# Altium PCB MOSAIC_RCB.PcbDoc (part 2 of 2)
Units mil, origin at the board's own origin, x right, y up, seen from the top; angles counter-clockwise.
Board outline 2644.72 x 1250.12 mil, 4 copper layers (Top Layer, Int1 (GND), Int2 (GND), Bottom Layer), stack 61.24 mil thick; 78 components, 55 nets, 485 pads, 481 vias.
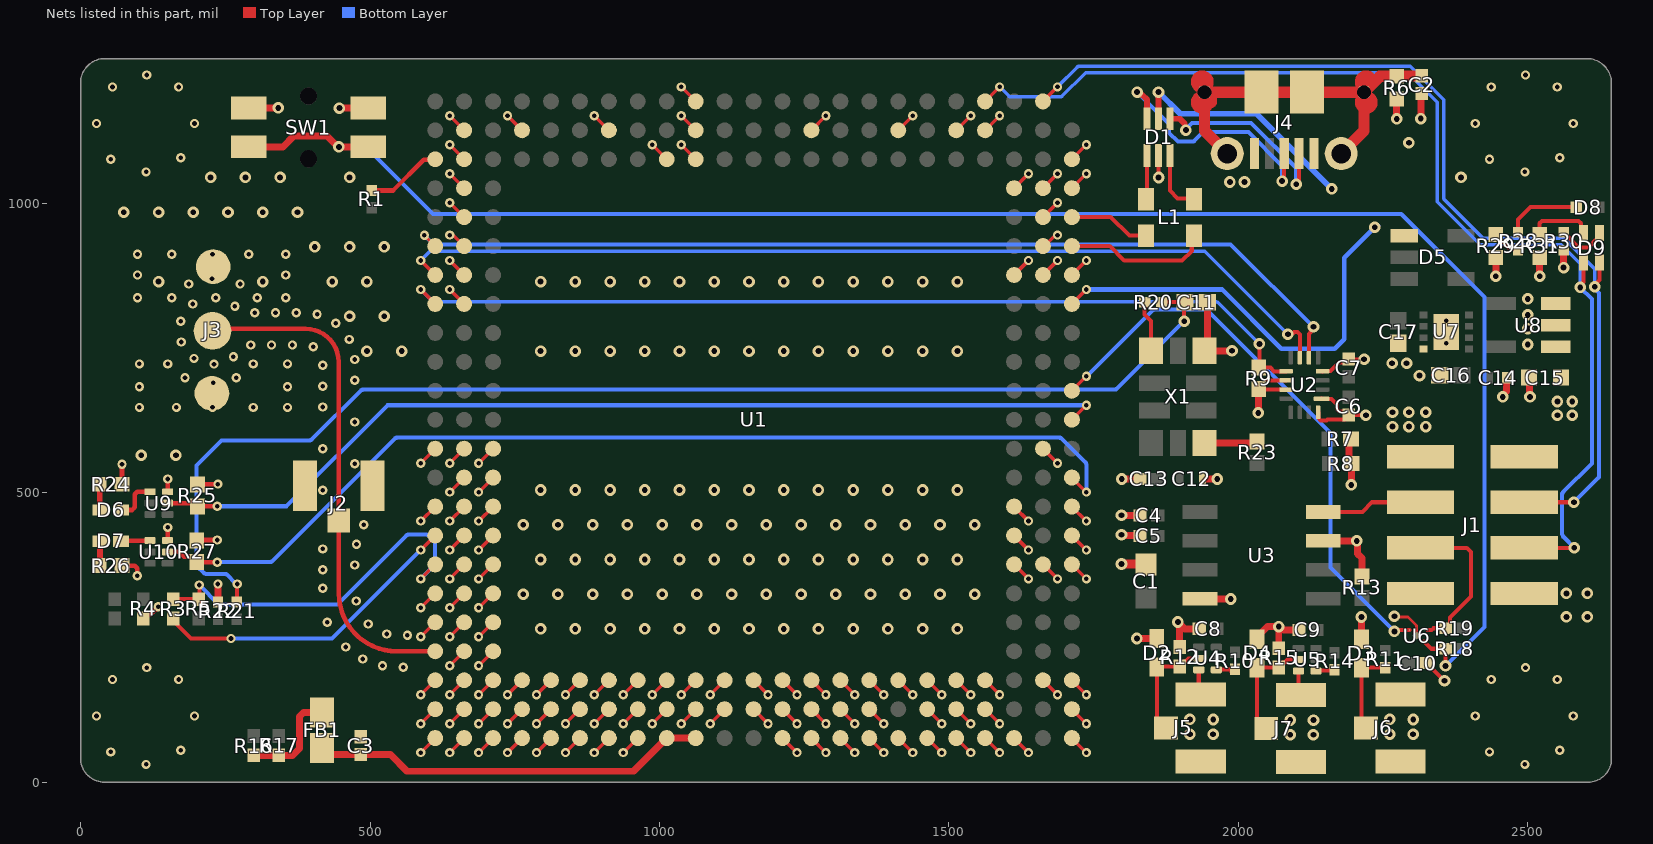
[diagram p4: the nets of this part, all layers, seen from the top]

## Via types
v1: diameter 16, hole 8, Top Layer to Bottom Layer, tented both sides, 260 vias
v2: diameter 20, hole 10, Top Layer to Bottom Layer, tented both sides, 219 vias
v3: diameter 28, hole 14, Top Layer to Bottom Layer, tented both sides, 2 vias

## Nets (pads, with @x,y where several pads share a name; then routed paths per layer and width w, separated by ;. In a path a pad name is that pad's centre, name@x,y a point inside that pad or via, vN(x,y) a via of type N, cw(c..) or ccw(c..) an arc to the next point about the centre after c; other vN are vias at no path point) (continued)
GND: C1.2 C2.1 C3.1 C4.2 C5.2 C6.1 C7.1 C8.1 C9.1 C10.1 C11.1 C12.1 C13.1 C14.2 C15.2 C16.1 C17.1 D1.2 D2.1 D3.1 D4.1 J1.8 J2.2 J2.3 J3.2 J3.3 J4.5 J5.2 J5.3 J6.2 J6.3 J7.2 J7.3 R4.2 R6.1 R7.1 R8.1 R9.1 R12.1 R13.1 R15.1 R22.1 R24.1 R25.1 R26.1 R27.1 R29.2 R30.1 R31.2 SW1.2 SW1.4 U1.A3 U1.A4 U1.A7 U1.A15 U1.A16 U1.A17 U1.A21 U1.A22 U1.A23 U1.AA13 U1.AA14 U1.AA15 U1.AA16 U1.AA17 U1.AA18 U1.AA19 U1.AA20 U1.AA21 U1.AA22 U1.AA23 U1.AB2 U1.AB3 U1.AB4 U1.AB5 U1.AB6 U1.AB7 U1.AB8 U1.AB13 U1.AB14 U1.AB15 U1.AB16 U1.AB17 U1.AB18 U1.AB19 U1.AB20 U1.AB21 U1.AB22 U1.AB23 U1.AC13 U1.AC15 U1.AC18 U1.AC19 U1.AC21 U1.AC22 U1.AC23 U1.B4 U1.B5 U1.B6 U1.B7 U1.B13 U1.B17 U1.B21 U1.C4 U1.C7 U1.C15 U1.C16 U1.C17 U1.C23 U1.D2 U1.D21 U1.D22 U1.D23 U1.E2 U1.E21 U1.E22 U1.E23 U1.F21 U1.F22 U1.F23 U1.G2 U1.G21 U1.G23 U1.H21 U1.H22 U1.H23 U1.J21 U1.J22 U1.J23 U1.K2 U1.K21 U1.K22 U1.K23 U1.L21 U1.L22 U1.L23 U1.M21 U1.M22 U1.N21 U1.N22 U1.P1 U1.P2 U1.P3 U1.P21 U1.P22 U1.R3 U1.R21 U1.R22 U1.T21 U1.T22 U1.T23 U1.U2 U1.U21 U1.U22 U1.U23 U1.V21 U1.V22 U1.V23 U1.W21 U1.W22 U1.W23 U1.Y2 U1.Y21 U1.Y22 U1.Y23 U2.1 U2.4 U2.10 U2.11 U2.16 U3.4 U3.7 U4.3 U5.3 U6.3 U7.4 U7.9 U8.2 U8.3 U9.3 U10.3 X1.4 | length 6082
  Top Layer w5: v2(2269.69,286.4) 2270.85,285.23 2293.27,285.23 2308.07,270.44 U6.3@2308.07,252.95
  Top Layer w6: v1(587.6,50.98) U1.AC23@612.6,75.98 ; v1(587.6,100.98) U1.AC22@612.6,125.98 ; v1(587.6,150.98) U1.AC21@612.6,175.98 ; v1(587.6,250.98) U1.AC19@612.6,275.98 ; v1(587.6,300.98) U1.AC18@612.6,325.98 ; v1(587.6,450.98) U1.AC15@612.6,475.98 ; v1(587.6,550.98) U1.AC13@612.6,575.98 ; v1(637.6,50.98) U1.AB23@662.6,75.98 ; v1(637.6,100.98) U1.AB22@662.6,125.98 ; v1(637.6,150.98) U1.AB21@662.6,175.98 ; v1(637.6,200.98) U1.AB20@662.6,225.98 ; v1(637.6,250.98) U1.AB19@662.6,275.98 ; v1(637.6,300.98) U1.AB18@662.6,325.98 ; v1(637.6,350.98) U1.AB17@662.6,375.98 ; v1(637.6,400.98) U1.AB16@662.6,425.98 ; v1(637.6,450.98) U1.AB15@662.6,475.98 ; v1(637.6,500.98) U1.AB14@662.6,525.98 ; v1(637.6,550.98) U1.AB13@662.6,575.98 ; v1(637.6,850.98) U1.AB8@662.6,825.98 ; v1(637.6,900.98) U1.AB7@662.6,875.98 ; v1(637.6,944.98) 637.93,944.65 643.93,944.65 U1.AB6@662.6,925.98 ; v1(637.6,1000.98) U1.AB5@662.6,975.98 ; v1(637.6,1050.98) U1.AB4@662.6,1025.98 ; v1(637.6,1100.98) U1.AB3@662.6,1075.98 ; v1(637.6,1150.98) U1.AB2@662.6,1125.98 ; v1(687.6,50.98) U1.AA23@712.6,75.98 ; v1(687.6,100.98) U1.AA22@712.6,125.98 ; v1(687.6,150.98) U1.AA21@712.6,175.98 ; v1(687.6,200.98) U1.AA20@712.6,225.98 ; v1(687.6,250.98) U1.AA19@712.6,275.98 ; v1(687.6,300.98) U1.AA18@712.6,325.98 ; v1(687.6,350.98) U1.AA17@712.6,375.98 ; v1(687.6,400.98) U1.AA16@712.6,425.98 ; v1(687.6,450.98) U1.AA15@712.6,475.98 ; v1(687.6,500.98) U1.AA14@712.6,525.98 ; v1(687.6,550.98) U1.AA13@712.6,575.98 ; v1(737.6,50.98) U1.Y23@762.6,75.98 ; v1(737.6,100.98) U1.Y22@762.6,125.98 ; v1(737.6,150.98) U1.Y21@762.6,175.98 ; v1(737.6,1150.98) U1.Y2@762.6,1125.98 ; v1(787.6,50.98) U1.W23@812.6,75.98 ; v1(787.6,100.98) U1.W22@812.6,125.98 ; v1(787.6,150.98) U1.W21@812.6,175.98 ; v1(837.6,50.98) U1.V23@862.6,75.98 ; v1(837.6,100.98) U1.V22@862.6,125.98 ; v1(837.6,150.98) U1.V21@862.6,175.98 ; v1(887.6,50.98) U1.U23@912.6,75.98 ; v1(887.6,100.98) U1.U22@912.6,125.98 ; v1(887.6,150.98) U1.U21@912.6,175.98 ; v1(887.6,1150.98) U1.U2@912.6,1125.98 ; v1(937.6,50.98) U1.T23@962.6,75.98 ; v1(937.6,100.98) U1.T22@962.6,125.98 ; v1(937.6,150.98) U1.T21@962.6,175.98 ; v1(987.6,100.98) U1.R22@1012.6,125.98 ; v1(987.6,150.98) U1.R21@1012.6,175.98 ; v1(987.6,1100.98) U1.R3@1012.6,1075.98 ; v1(1037.6,100.98) U1.P22@1062.6,125.98 ; v1(1037.6,150.98) U1.P21@1062.6,175.98 ; v1(1037.6,1100.98) U1.P3@1062.6,1075.98 ; v1(1037.6,1150.98) U1.P2@1062.6,1125.98 ; v1(1037.6,1200.98) U1.P1@1062.6,1175.98 ; v1(1087.6,100.98) U1.N22@1112.6,125.98 ; v1(1087.6,150.98) U1.N21@1112.6,175.98 ; U1.M22@1162.6,125.98 v1(1187.6,100.98) ; U1.M21@1162.6,175.98 v1(1187.6,150.98) ; U1.L23@1212.6,75.98 v1(1237.6,50.98) ; U1.L22@1212.6,125.98 v1(1237.6,100.98) ; U1.L21@1212.6,175.98 v1(1237.6,150.98) ; U1.K23@1262.6,75.98 v1(1287.6,50.98) ; U1.K22@1262.6,125.98 v1(1287.6,100.98) ; U1.K21@1262.6,175.98 v1(1287.6,150.98) ; U1.K2@1262.6,1125.98 v1(1287.6,1150.98) ; U1.J23@1312.6,75.98 v1(1337.6,50.98) ; U1.J22@1312.6,125.98 v1(1337.6,100.98) ; U1.J21@1312.6,175.98 v1(1337.6,150.98) ; U1.H23@1362.6,75.98 v1(1387.6,50.98) ; U1.H22@1362.6,125.98 v1(1387.6,100.98) ; U1.H21@1362.6,175.98 v1(1387.6,150.98) ; U1.G23@1412.6,75.98 v1(1437.6,50.98) ; U1.G21@1412.6,175.98 v1(1437.6,150.98) ; U1.G2@1412.6,1125.98 v1(1437.6,1150.98) ; U1.F23@1462.6,75.98 v1(1487.6,50.98) ; U1.F22@1462.6,125.98 v1(1487.6,100.98) ; U1.F21@1462.6,175.98 v1(1487.6,150.98) ; U1.E23@1512.6,75.98 v1(1537.6,50.98) ; U1.E22@1512.6,125.98 v1(1537.6,100.98) ; U1.E21@1512.6,175.98 v1(1537.6,150.98) ; U1.E2@1512.6,1125.98 v1(1537.6,1150.98) ; U1.D23@1562.6,75.98 v1(1587.6,50.98) ; U1.D22@1562.6,125.98 v1(1587.6,100.98) ; U1.D21@1562.6,175.98 v1(1587.6,150.98) ; U1.D2@1562.6,1125.98 v1(1587.6,1150.98) ; U1.C23@1612.6,75.98 v1(1637.6,50.98) ; U1.C17@1612.6,375.98 v1(1637.6,350.98) ; U1.C16@1612.6,425.98 v1(1637.6,400.98) ; U1.C15@1612.6,475.98 v1(1637.6,450.98) ; U1.C7@1612.6,875.98 v1(1637.6,900.98) ; U1.C4@1612.6,1025.98 v1(1637.6,1050.98) ; U1.B21@1662.6,175.98 v1(1687.6,150.98) ; U1.B17@1662.6,375.98 v1(1687.6,350.98) ; U1.B13@1662.6,575.98 v1(1687.6,550.98) ; U1.B7@1662.6,875.98 v1(1687.6,900.98) ; U1.B6@1662.6,925.98 1664.81,925.98 1681.89,943.07 1685.69,943.07 v1(1687.6,944.98) ; U1.B5@1662.6,975.98 v1(1687.6,1000.98) ; U1.B4@1662.6,1025.98 v1(1687.6,1050.98) ; U1.A23@1712.6,75.98 v1(1737.6,50.98) ; U1.A22@1712.6,125.98 v1(1737.6,100.98) ; U1.A21@1712.6,175.98 v1(1737.6,150.98) ; U1.A17@1712.6,375.98 v1(1737.6,350.98) ; U1.A16@1712.6,425.98 v1(1737.6,400.98) ; U1.A15@1712.6,475.98 v1(1737.6,450.98) ; U1.A7@1712.6,875.98 v1(1737.6,900.98) ; U1.A4@1712.6,1025.98 v1(1737.6,1050.98) ; U1.A3@1712.6,1075.98 v1(1737.6,1100.98)
  Top Layer w7: v2@1862.2,1044.39 D1.2@1862.2,1082.48 ; U4.3@1931.69,193.9 1931.69,154.92 J5.3@1935.04,151.57 ; R9.1@2035.43,679.13 2035.43,680.12 2049.21,693.9 U2.10@2082.68,693.9 ; R9.1@2036.42,678.15 U2.11@2082.68,678.15 ; U5.3@2103.94,191.93 2103.94,154.92 J7.3@2108.27,150.59 ; U2.16@2137.8,638.78 2138.23,638.34 2138.23,628.66 2142.33,624.56 2152.52,624.56 2154.29,626.33 2183.81,626.33 C6.1@2190.94,633.46 ; U2.1@2143.7,662.4 2144.04,662.06 2160.77,662.06 2170.27,652.57 2170.27,644.67 2174.37,640.57 2184.62,640.57 2191.34,633.86 v2(2220.47,633.86) ; U2.4@2145.67,709.65 2146.11,710.08 2159.49,710.08 2174.18,724.77 2184.81,724.77 C7.1@2190.94,730.91 2191.54,730.32 v2(2217.39,730.32) ; C10.1@2325.29,205.22 2326.07,205.22 2332.72,198.58 2332.72,197.79 2355.28,175.24 v2(2356.19,175.24)
  Top Layer w8: R24.1@71.46,514.38 v1(71.46,549.21) ; R26.1@71.74,374.02 93.41,374.02 98.09,369.33 v1(98.09,356.3) ; R4.2@108.27,282.48 108.33,282.42 108.33,283.53 115.09,290.29 121.29,290.29 v1(134,303) ; U10.3@150.39,417.32 150.49,417.42 150.49,439.86 v1(150.59,439.96) ; U9.3@150.39,501.58 150.49,501.68 150.49,523.52 v1(150.59,523.62) ; R27.1@199.8,416.34 R27.1@200.79,417.32 201.77,418.31 v1(236.22,418.31) ; R25.1@201.75,513.84 202.67,514.76 v1(237.2,514.76)
  Top Layer w12: R22.1@237.2,311.02 v1(237.2,342.29) ; SW1.2@290.35,1164.37 290.57,1164.59 v2(341.5,1164.59) ; v2(447.12,1164.38) SW1.4@497.05,1164.37 ; v2(1798.23,427.17) 1799.21,426.18 1829.13,426.18 C5.2@1830.12,425.2 ; v2(1798.23,460.83) 1798.33,460.73 1830.02,460.73 C4.2@1830.12,460.63 ; v2(1798.51,523.62) C13.1@1830.12,523.62 ; v2(1824.8,248.03) D2.1@1859.25,248.03 ; C1.2@1839.8,376.73 C1.2@1840.55,375.98 ; R12.1@1898.62,233.27 1898.62,271.46 1895.67,274.41 v2(1895.67,276.57) 1907.48,264.76 C8.1@1932.48,264.76 ; U3.4@1933.85,316.73 1934.29,316.3 v2(1986.79,316.3) v2@1987.22,315.87 ; C12.1@1938.04,523.62 v2(1963.78,523.62) ; C11.1@1946.46,828.74 1946.46,749.61 X1.4@1941.93,745.08 v2(1989.17,745.08) ; D4.1@2032.48,247.05 2032.48,250.98 2050.2,268.7 v2(2069.88,268.7) ; v2(2034.45,637.8) 2034.94,638.29 2034.94,678.64 R9.1@2035.43,679.13 ; R15.1@2069.88,231.3 v2(2069.88,268.7) ; C9.1@2104.72,262.8 2077.95,262.8 2072.05,268.7 v2(2069.88,268.7) ; U3.7@2146.85,416.73 v2(2204.72,416.73) 2206.26,415.2 2206.26,394.42 2213.58,387.09 R13.1@2213.58,355.32 ; R8.1@2190.94,550.2 R7.1@2190.94,592.52 ; v2(2195.28,513.39) 2195.57,513.68 2195.57,549.9 R8.1@2195.87,550.2 ; D3.1@2212.6,247.05 v2(2212.6,285.23) ; v2(2273.62,1145.64) R6.1@2273.62,1180.12 ; v2(2315.01,1146.2) 2315.97,1147.16 2315.97,1188.41 C2.1@2316.93,1189.37 ; v2(2444.88,874.02) R29.2@2444.88,906.5 ; v2(2456.69,665.35) 2456.69,667.52 2463.58,674.41 C14.2@2463.58,698.82 ; C15.2@2501.97,698.82 2502.95,697.83 2502.95,666.34 v2(2503.94,665.35) ; v2@2520.7,873.81 R31.2@2520.67,906.5 ; v2@2562.04,888.81 R30.1@2562.07,918.23
  Top Layer w15: v2(1798.23,376.73) C1.2@1839.8,376.73
  other v1: 113.19,30.51 2495.08,30.51 52.17,52.17 2434.06,52.17 173.23,55.12 2555.12,55.12 27.56,114.17 196.85,114.17 2409.45,114.17 2578.74,114.17 55.12,177.17 169.29,177.17 2437.01,177.17 2551.18,177.17 114.17,197.83 2496.06,197.83 557.4,198.2 521.5,200.79 487.5,212.63 458.12,233.43 564.63,253.76 528.69,255.94 496.99,273 426.31,275.98 476.1,312.82 418.22,334.65 418.22,366.87 473.78,375.12 418.22,402.87 476.71,411 489.14,444.79 418.22,503.99 473.78,550.03 418.22,575.99 473.78,622.03 101.58,647.31 165.55,647.31 227.95,647.31 298.43,647.31 357.48,647.31 418.22,647.99 101.58,683.07 357.48,683.07 418.22,683.99 228.95,689.74 473.78,694.03 180.32,698.53 268.9,698.53 418.22,719.99 230.45,722.08 101.58,722.44 150.79,722.44 298.43,722.44 357.48,722.44 473.45,730.02 195.82,731.9 264.05,735.01 401.79,752.02 293.92,755.1 329.92,755.1 365.92,755.1 2359.25,757.87 173.72,760.33 463.98,764.76 440.99,792.46 173.18,796.32 2359.25,797.24 408.6,808.18 300.69,810.66 336.69,810.66 372.69,810.66 266.57,822.15 193.82,825.82 98.43,836.61 157.48,836.61 233.57,836.53 305.12,836.61 354.33,836.61 187.01,860.53 275.59,860.53 226.95,869.31 98.43,875.98 354.33,875.98 98.43,911.74 157.48,911.74 227.95,911.74 290.35,911.74 354.33,911.74 113.19,1054.13 2495.08,1054.13 52.17,1075.79 2434.06,1075.79 173.23,1078.74 2555.12,1078.74 27.56,1137.8 196.85,1137.8 2409.45,1137.8 2578.74,1137.8 55.12,1200.79 169.29,1200.79 2437.01,1200.79 2551.18,1200.79 114.17,1221.46 2496.06,1221.46
  other v2: 2089.57,81.69 2129.68,81.69 1916.34,82.68 1956.45,82.68 2261.81,82.68 2301.92,82.68 2089.57,107.28 2129.92,107.18 1916.34,108.27 1956.69,108.17 2261.81,108.27 2302.17,108.17 794.67,264.59 854.67,264.59 914.67,264.59 974.67,264.59 1034.67,264.59 1094.67,264.59 1154.67,264.59 1214.67,264.59 1274.67,264.59 1334.67,264.59 1394.67,264.59 1454.67,264.59 1514.67,264.59 764.67,324.59 824.67,324.59 884.67,324.59 944.67,324.59 1004.67,324.59 1064.67,324.59 1124.67,324.59 1184.67,324.59 1244.67,324.59 1304.67,324.59 1364.67,324.59 1424.67,324.59 1484.67,324.59 1544.67,324.59 794.67,384.59 854.67,384.59 914.67,384.59 974.67,384.59 1034.67,384.59 1094.67,384.59 1154.67,384.59 1214.67,384.59 1274.67,384.59 1334.67,384.59 1394.67,384.59 1454.67,384.59 1514.67,384.59 764.67,444.59 824.67,444.59 884.67,444.59 944.67,444.59 1004.67,444.59 1064.67,444.59 1124.67,444.59 1184.67,444.59 1244.67,444.59 1304.67,444.59 1364.67,444.59 1424.67,444.59 1484.67,444.59 1544.67,444.59 794.67,504.59 854.67,504.59 914.67,504.59 974.67,504.59 1034.67,504.59 1094.67,504.59 1154.67,504.59 1214.67,504.59 1274.67,504.59 1334.67,504.59 1394.67,504.59 1454.67,504.59 1514.67,504.59 104.67,564.59 164.67,564.59 2266.34,614.17 2294.69,614.17 2323.82,614.17 2266.34,638.78 2294.69,638.78 2323.82,638.78 2312.99,702.17 2265.75,723.43 2290.75,723.43 494.67,744.59 554.67,744.59 794.67,744.59 854.67,744.59 914.67,744.59 974.67,744.59 1034.67,744.59 1094.67,744.59 1154.67,744.59 1214.67,744.59 1274.67,744.59 1334.67,744.59 1394.67,744.59 1454.67,744.59 1514.67,744.59 2500,755.91 2500,783.46 464.67,804.59 524.67,804.59 2500,807.09 2500,834.65 134.67,864.59 314.67,864.59 434.67,864.59 494.67,864.59 794.67,864.59 854.67,864.59 914.67,864.59 974.67,864.59 1034.67,864.59 1094.67,864.59 1154.67,864.59 1214.67,864.59 1274.67,864.59 1334.67,864.59 1394.67,864.59 1454.67,864.59 1514.67,864.59 2520.73,873.78 2562.01,888.78 404.67,924.59 464.67,924.59 524.67,924.59 74.67,984.59 134.67,984.59 194.67,984.59 254.67,984.59 314.67,984.59 374.67,984.59 1985.49,1036.67 2010.72,1036.67 224.67,1044.59 284.67,1044.59 344.67,1044.59 464.67,1044.59 1862.34,1044.39 2384.67,1044.59 2294.67,1104.59
GNSS_ANT: J2.1 J3.1 U1.AC20 | length 874.9
  Top Layer w8: J3.1@227.95,779.53 cw(c231.3,779.53) 231.3,782.88 389,782.88 cw(c389,725.88) 446,725.88 J2.1@446,451.96 446,325.98 ccw(c546,325.98) 546,225.98 U1.AC20@611.42,225.98
GNSS_GPLED: R27.2 U1.A14 U10.2 | length 1786.4
  Top Layer w6: U1.A14@1712.6,525.98 v1(1737.6,500.98)
  Top Layer w8: U10.2@150.39,397.64 170.26,397.64 178.19,389.7 191.99,389.7 200.79,380.91 R27.2@200.79,379.92 v1(236.22,379.92)
  Bottom Layer w7: v1(236.22,379.92) 326.24,379.92 ccw(c326.24,386.92) 331.16,381.95 542.1,592.89 cw(c547.03,587.92) 547.03,594.92 1690.56,594.92 cw(c1690.56,587.92) 1695.49,592.89 1735.57,552.81 cw(c1730.6,547.88) 1737.6,547.88 v1(1737.6,500.98)
GNSS_IN_EVENT_A: U1.AC6 U2.6 | length 1684.3
  Top Layer w6: v1(594,944.58) U1.AC6@612.6,925.98
  Top Layer w7: U2.6@2122.05,733.27 2122.05,774.04 2124.83,776.82 2124.83,778.1 2129.92,783.2 v2(2129.92,786.72)
  Bottom Layer w7: v1(594,944.58) 610.1,928.48 1986.87,928.48 1988.92,926.43 2128.64,786.72 v2(2129.92,786.72)
GNSS_IN_EVENT_B: U1.AC7 U2.7 | length 1663.1
  Top Layer w6: v1(587.6,900.98) U1.AC7@612.6,875.98
  Top Layer w7: v2(2085.68,773.67) 2088.17,776.16 2095.16,776.16 2096.28,777.28 2102.08,777.28 2106.3,773.06 U2.7@2106.3,733.27
  Bottom Layer w6: v1(587.6,900.98) 603.6,916.98 1942.36,916.98 v2(2085.68,773.67)
GNSS_MODULE_RDY: R25.2 U1.A12 U9.2 | length 1697.1
  Top Layer w6: U1.A12@1712.6,625.98 v1(1737.6,650.98)
  Top Layer w8: U9.2@150.39,481.9 196.29,481.9 R25.2@201.75,476.44 201.87,476.56 v1(236.22,476.56)
  Bottom Layer w7: v1(236.22,476.56) 355.58,476.56 530,650.98 v1(1737.6,650.98)
GNSS_PPSO: R9.2 U1.AC8 U2.9 | length 1610.5
  Top Layer w6: v1(587.6,850.98) U1.AC8@612.6,825.98
  Top Layer w7: v2(2036.42,757.03) 2036.42,719.49 2039.81,716.1 2055.56,716.1 2062.01,709.65 U2.9@2082.68,709.65
  Bottom Layer w6: v1(587.6,850.98) 607.16,831.42 ccw(c611.39,835.68) 611.39,829.68 1961.28,829.68 cw(c1961.28,823.68) 1965.53,827.92 v2@2036.39,757.06
GNSS_RST: U1.A11 U6.4 | length 1007.8
  Top Layer w6: U1.A11@1712.6,675.98 v1(1737.6,700.98)
  Top Layer w7: v2(2269.69,260.23) 2272.16,262.7 U6.4@2295.57,262.7
  Bottom Layer w7: v1(1737.6,700.98) 1850.78,814.17 cw(c1855.71,809.19) 1855.71,816.19 1943.12,816.19 cw(c1943.12,809.19) 1948.04,814.17 2159,603.21 2159,370.92 v2(2269.69,260.23)
GNSS_UART_RX1: D9.2 J1.5 U1.B1 | length 1778.5
  Top Layer w6: U1.B1@1662.6,1175.98 v1(1687.6,1200.98)
  Top Layer w7: J1.5@2493.9,483.46 v2(2579.72,483.46) ; v2(2615.86,855.54) 2615.86,859.06 2621.6,864.79 2624.02,867.21 D9.2@2624.02,897.64
  Bottom Layer w6: v1(1687.6,1200.98) 1721.47,1234.85 cw(c1725.69,1230.59) 1725.69,1236.59 2297.21,1236.59 2344.01,1189.79 2344.01,1189.69 2355.01,1178.69 2355.01,1007.3 2422.73,939.57 2562.41,939.57 2568.16,933.82 2615.63,886.35 2615.63,855.77 v2(2615.86,855.54)
  Bottom Layer w7: v2(2579.72,483.46) 2622.91,526.65 2622.91,844.98 2615.86,852.02 v2(2615.86,855.54)
GNSS_UART_TX1: D9.1 J1.3 U1.D1 | length 1959.8
  Top Layer w6: U1.D1@1562.6,1175.98 v1(1587.6,1200.98)
  Top Layer w7: J1.3@2493.9,404.72 v2(2580.49,404.72) ; v2(2590.64,854.6) 2590.64,858.12 2596.46,863.93 D9.1@2596.46,897.64
  Bottom Layer w6: v1(1587.6,1200.98) 1603.22,1185.36 ccw(c1607.45,1189.62) 1607.45,1183.62 1691.78,1183.62 ccw(c1691.78,1189.62) 1696,1185.36 1734.5,1223.85 cw(c1738.72,1219.59) 1738.72,1225.59 2290.07,1225.59 cw(c2290.07,1219.59) 2294.31,1223.83 2344.01,1174.14 2344.01,1002.74 2418.18,928.57 2557.85,928.57 2590.64,895.78 2590.64,889.38 v2(2590.64,854.6)
  Bottom Layer w7: v2(2580.49,404.72) 2561.37,423.84 2559.32,428.79 2559.32,496.23 cw(c2566.32,496.23) 2561.35,501.16 2610.91,550.71 2610.91,834.33 v2(2590.64,854.6)
GNSS_USB_DM_N: L1.2 U1.A6 | length 251.9
  Top Layer w7: U1.A6@1712.6,925.98 1777.95,925.98 1802.95,900.98 1902.8,900.98 1919.62,917.81 1919.62,940.29 L1.2@1923.23,943.9
GNSS_USB_DM_P: L1.3 U1.A5 | length 141.2
  Top Layer w7: U1.A5@1712.6,975.98 1779.63,975.98 1811.71,943.9 L1.3@1840.55,943.9
GNSS_USB_VBUS: D1.5 D5.1 J4.1 U1.A8 | length 1166.3
  Top Layer w6: U1.A8@1712.6,825.98 v1(1737.6,850.98)
  Top Layer w10: D1.5@1862.2,1145.87 v2(1862.2,1192)
  Bottom Layer w8: v1(1737.6,850.98) 1972.02,850.98 2074.28,748.72 2166.72,748.72 2182.99,764.99 2182.99,905.78 v2(2235.87,958.66) cw(c2241.51,952.99) v2@2241.51,960.99
  Bottom Layer w10: v2(1862.2,1192) 1899.61,1154.6 2031.58,1154.6 v2(2161.42,1024.76)
NetC2_2: C2.2 J4.6 J4.7 J4.8 J4.9 J4.10 J4.11 R6.2 | length 613.1
  Top Layer w19.68: J4.11@1947.48,1174.28 1941.57,1168.38 1941.57,1125.07 J4.7@1980.94,1085.7 ; J4.11@1953.39,1174.28 1953.39,1180.19 J4.11@1941.57,1192 J4.10@2040,1192 J4.9@2118.74,1192 J4.8@2217.17,1192 J4.8@2227.01,1201.84 ; J4.6@2177.8,1085.7 2217.17,1125.07 2217.17,1168.38 ; J4.8@2228.98,1203.81 2244.65,1219.49 R6.2@2273.62,1219.49 2273.92,1219.78 2316.63,1219.78 C2.2@2316.93,1220.08
NetC3_2: C3.2 FB1.2 U1.P23 U1.R23 | length 685.7
  Top Layer w12: FB1.2@417.32,59.01 428.7,47.64 C3.2@484.25,47.64 535.04,47.64 563.98,18.7 955.32,18.7 U1.R23@1012.6,75.98 U1.P23@1062.6,75.98
NetC11_2: C11.2 R20.2 R21.1 | length 2169
  Top Layer w7: R21.1@269.68,311.02 270.18,311.52 270.18,337.97 cw(c277.18,337.97) 270.24,338.9 270.62,341.74 ccw(c263.68,342.66) v1(270.67,342.29) ; R20.2@1867.8,829.15 1907.46,829.15 C11.2@1907.87,828.74 1906.5,827.36 v2(1906.5,796.26)
  Bottom Layer w7: v1(270.67,342.29) cw(c271.95,349.17) 267.04,344.18 253.69,357.53 ccw(c248.7,352.62) 248.7,359.62 217.53,359.62 cw(c217.53,366.62) 212.53,361.73 202.24,372.02 cw(c207.15,377) 200.15,377 200.15,547.21 243.35,590.41 395.09,590.41 ccw(c395.09,597.41) 400.02,592.44 483.42,675.84 cw(c488.34,670.87) 488.34,677.87 1785.2,677.87 ccw(c1785.2,684.87) 1790.13,679.89 v2(1906.5,796.26)
NetD1_1: D1.1 L1.4 | length 76.4
  Top Layer w7: L1.4@1840.55,1006.89 1842.52,1008.86 D1.1@1842.52,1082.48
NetD1_3: D1.3 L1.1 | length 108.3
  Top Layer w7: D1.3@1881.89,1082.48 1881.89,1021.65 1895.18,1008.37 1921.75,1008.37 L1.1@1923.23,1006.89
NetD1_4: D1.4 J4.2 | length 353.3
  Top Layer w7: v2(2100.1,1032.61) 2100.1,1036.13 2104.96,1040.99 J4.2@2104.96,1085.7
  Top Layer w10: D1.4@1881.89,1145.87 1898.97,1145.87 1907.54,1137.3 1907.54,1128.29 v2(1909.45,1126.38)
  Bottom Layer w7: v2(1909.45,1126.38) 1909.45,1128.25 1920.05,1138.85 2021.81,1138.85 2100.1,1060.56 v2(2100.1,1032.61)
NetD1_6: D1.6 J4.3 | length 456.7
  Top Layer w7: v2(2075.74,1038.21) 2075.74,1041.73 2079.17,1045.16 2079.17,1085.5 J4.3@2079.37,1085.7
  Top Layer w10: v2(1825.2,1192) 1827.91,1192 1832.91,1187 1834.13,1187 1842.52,1178.61 D1.6@1842.52,1145.87
  Bottom Layer w7: v2(1825.2,1192) 1880.45,1136.76 1880.45,1121.59 1895.54,1106.5 1923,1106.5 1939.25,1122.74 2017.72,1122.74 2075.74,1064.73 v2(2075.74,1038.21)
NetD2_2: D2.2 J5.1 R12.2 U4.2 | length 206.8
  Top Layer w7: J5.1@1875,93.5 1859.25,109.25 D2.2@1859.25,198.82 1860.24,199.8 R12.2@1898.62,199.8 1898.62,200.79 1905.95,208.11 1908.13,208.11 1913.6,213.58 U4.2@1931.69,213.58
  Top Layer w8: J5.1@1869.09,107.76 ccw(c1889.26,107.76) J5.1@1875,93.5
NetD3_2: D3.2 J6.1 R11.1 | length 148.9
  Top Layer w7: J6.1@2220.47,93.5 2212.6,101.38 D3.2@2212.6,197.83 R11.1@2253.94,197.83
NetD4_2: D4.2 J7.1 R15.2 U5.2 | length 189.6
  Top Layer w7: J7.1@2048.23,92.52 2032.48,108.27 D4.2@2032.48,197.83 R15.2@2069.88,197.83 2069.88,198.82 2077.21,206.15 2079.39,206.15 2084.86,211.61 U5.2@2103.94,211.61
NetD6_1: D6.1 R24.2 | length 45.1
  Top Layer w10: R24.2@32.09,514.38 33.07,513.39 33.07,471.07 D6.1@34.06,470.09
NetD6_2: D6.2 U9.4 | length 91.9
  Top Layer w8: D6.2@69.49,470.09 88.8,470.09 93.48,474.77 93.48,496.9 98.17,501.58 U9.4@120.08,501.58 119.97,501.47 104.81,501.47
NetD7_1: D7.1 R26.2 | length 43.1
  Top Layer w10: R26.2@32.37,374.02 33.36,375 33.36,415.35 D7.1@34.34,416.34
NetD7_2: D7.2 U10.4 | length 56.9
  Top Layer w8: D7.2@69.77,416.34 70.27,416.83 119.59,416.83 U10.4@120.08,417.32 ; U10.4@114.37,416.34 114.43,416.4 U10.4@120.58,416.4
NetD8_1: D8.1 R28.2 | length 131.2
  Top Layer w7: R28.2@2483.27,949.8 2483.27,971.83 2504.55,993.11 D8.1@2583.66,993.11
NetD9_3: D9.3 R31.1 | length 110.7
  Top Layer w7: R31.1@2520.67,947.83 2520.67,965.39 2524.77,969.49 2587.98,969.49 2592.08,965.39 2592.08,953.19 D9.3@2596.46,948.82
NetD9_4: D9.4 R30.2 | length 87.2
  Top Layer w7: R30.2@2562.07,949.73 2577.33,934.47 2577.33,934.27 2588.37,923.23 2604.54,923.23 2612.83,931.52 2612.83,931.73 2624.02,942.91 D9.4@2624.02,948.82
NetR1_1: R1.1 U1.AC3 | length 132
  Top Layer w8: R1.1@502.95,1022.05 539.76,1022.05 592.92,1075.2 611.82,1075.2 U1.AC3@612.6,1075.98
NetR10_1: R10.1 U4.4 | length 40.2
  Top Layer w7: U4.4@1962.01,193.9 1962.5,194.39 1993.6,194.39 R10.1@1994.09,194.88
  Top Layer w8: R10.1@1989.17,189.96 ccw(c1989.17,194.88) R10.1@1994.09,194.88
NetR14_1: R14.1 U5.4 | length 32.9
  Top Layer w7: U5.4@2134.25,191.93 2135.24,192.91 2165.35,192.91 R14.1@2166.34,193.9
NetR18_1: R18.1 SW1.1 SW1.3 U6.1 | length 3046.8
  Top Layer w7: U6.1@2320.57,243.2 2333.46,230.32 R18.1@2358.27,230.32 2357.93,229.98 v2(2357.93,200.62)
  Top Layer w12: SW1.1@290.35,1097.44 349.41,1097.44 368.21,1116.24 425.6,1116.24 444.62,1097.22 v2(446.18,1097.22) 496.83,1097.22 SW1.3@497.05,1097.44
  Bottom Layer w7: v2(446.18,1097.22) 492.78,1097.22 608.5,981.5 2281.5,981.5 2425.2,837.8 2425.2,267.89 v2(2357.93,200.62)
NetR20_1: R20.1 X1.6 | length 88.7
  Top Layer w7: R20.1@1838.27,829.15 1838.27,807.4 1849.41,796.26 X1.6@1849.41,745.08
NetR23_1: R23.1 X1.1 | length 91.8
  Top Layer w7: R23.1@2029.53,585.63 R23.1@2032.48,588.58
  Top Layer w12: X1.1@1941.93,585.63 R23.1@2029.53,585.63
NetR28_1: R28.1 R29.1 | length 49.8
  Top Layer w7: R29.1@2444.88,945.87 2467.08,923.67 2477.91,923.67 R28.1@2483.27,918.31
RCB_3V3: J1.2
RCB_5V: C15.1 J1.1 U8.1
  other v2: 2566.9,285.43 2603.04,285.43 2566.9,325.98 2603.04,325.98 2551.18,633.86 2576.77,633.86 2551.18,657.48 2576.77,657.48
RCB_nRST: J1.4 R19.1 U6.2 | length 272.8
  Top Layer w7: J1.4@2314.76,404.72 2394.69,404.72 2401.72,397.69 2401.72,320.33 2365.59,284.21 2365.59,272.09 2359.25,265.75 2337.07,265.75 2334.03,262.7 2327.07,262.7
RCB_TP1: J1.6 U3.8 | length 174.8
  Top Layer w7: U3.8@2146.85,466.73 2214.41,466.73 2231.14,483.46 J1.6@2314.76,483.46
RCB_TP2: J1.7
REF_I: R3.2 R5.1 U1.AC17 | length 653
  Top Layer w6: v1(587.6,350.98) U1.AC17@612.6,375.98
  Top Layer w7: R3.2@160.43,315.94 R5.1@203.74,315.94 205.12,317.33 v1(205.12,340.55)
  Bottom Layer w7: v1(205.12,340.55) 238.59,307.09 443.64,307.09 561.96,425.4 cw(c566.89,420.43) 566.89,427.43 596.8,427.43 cw(c596.8,420.43) 601.73,425.4 610.47,416.66 cw(c605.5,411.74) 612.5,411.74 612.5,378.78 cw(c605.5,378.78) 610.47,373.85 v1(587.6,350.98)
REF_O: R3.1 U1.AC16 | length 538.5
  Top Layer w6: v1(587.6,400.98) U1.AC16@612.6,425.98
  Top Layer w7: R3.1@160.43,278.54 190.94,248.03 v1(259.84,248.03)
  Bottom Layer w7: v1(259.84,248.03) 434.65,248.03 v1(587.6,400.98)
VANT: FB1.1 R16.2 R17.2 | length 180.9
  Top Layer w12: R16.2@299.21,46.26 R17.2@342.52,46.26 366.14,46.26 377.95,58.07 377.95,113.09 384.98,120.12 FB1.1@417.32,120.12
pads on no net: D5.2 D5.3 D5.5 J4.4 SW1. U1.A2 U1.A9 U1.A10 U1.A13 U1.AA1 U1.AA2 U1.AA3 U1.AA4 U1.AA5 U1.AA6 U1.AA7 U1.AA8 U1.AA9 U1.AA10 U1.AA11 U1.AA12 U1.AB1 U1.AB9 U1.AB10 U1.AB11 U1.AB12 U1.AC1 U1.AC2 U1.AC5 U1.AC9 U1.AC10 U1.AC11 U1.AC12 U1.AC14 U1.B2 U1.B3 U1.B9 U1.B10 U1.B11 U1.B12 U1.B14 U1.B15 U1.B16 U1.B22 U1.B23 U1.C1 U1.C2 U1.C3 U1.C5 U1.C6 U1.C8 U1.C9 U1.C10 U1.C11 U1.C12 U1.C13 U1.C14 U1.C21 U1.C22 U1.D3 U1.E1 U1.E3 U1.F1 U1.F2 U1.F3 U1.G1 U1.G3 U1.G22 U1.H1 U1.H2 U1.H3 U1.J1 U1.J2 U1.J3 U1.K1 U1.K3 U1.L1 U1.L2 U1.L3 U1.M1 U1.M2 U1.M3 U1.N1 U1.N2 U1.N3 U1.R1 U1.R2 U1.T1 U1.T2 U1.T3 U1.U1 U1.U3 U1.V1 U1.V2 U1.V3 U1.W1 U1.W2 U1.W3 U1.Y1 U1.Y3 U2.8 U2.12 U4.5 U5.5 U7.6 U8.4 U9.5 U10.5 X1.2 X1.3 X1.5 X1.7 X1.8 X1.10

## Polygon pours and split planes (outlines as drawn)
no net on Top Solder "GND_L01_P028" (solid): -18.45,114.02 ccw(c112.24,114.02) 112.24,-16.68 ccw(c112.24,114.02) 242.94,114.02 ccw(c112.24,114.02) 112.24,244.71 ccw(c112.24,114.02)
no net on Top Solder "GND_L01_P028" (solid): -18.45,1137.64 ccw(c112.24,1137.64) 112.24,1006.94 ccw(c112.24,1137.64) 242.94,1137.64 ccw(c112.24,1137.64) 112.24,1268.34 ccw(c112.24,1137.64)
no net on Top Solder "GND_L01_P028" (solid): 2363.44,1137.64 ccw(c2494.13,1137.64) 2494.13,1006.94 ccw(c2494.13,1137.64) 2624.83,1137.64 ccw(c2494.13,1137.64) 2494.13,1268.34 ccw(c2494.13,1137.64)
GND on Top Solder "GND_L01_P028" (solid, pour order 28): 2363.44,114.02 ccw(c2494.13,114.02) 2494.13,-16.68 ccw(c2494.13,114.02) 2624.83,114.02 ccw(c2494.13,114.02) 2494.13,244.71 ccw(c2494.13,114.02)
no net on Bottom Solder "GND_L01_P028" (solid): 2363.44,114.02 ccw(c2494.13,114.02) 2494.13,-16.68 ccw(c2494.13,114.02) 2624.83,114.02 ccw(c2494.13,114.02) 2494.13,244.71 ccw(c2494.13,114.02)
no net on Bottom Solder "GND_L01_P028" (solid): 2363.44,1137.64 ccw(c2494.13,1137.64) 2494.13,1006.94 ccw(c2494.13,1137.64) 2624.83,1137.64 ccw(c2494.13,1137.64) 2494.13,1268.34 ccw(c2494.13,1137.64)
no net on Bottom Solder "GND_L01_P028" (solid): -18.45,1137.64 ccw(c112.24,1137.64) 112.24,1006.94 ccw(c112.24,1137.64) 242.94,1137.64 ccw(c112.24,1137.64) 112.24,1268.34 ccw(c112.24,1137.64)
no net on Bottom Solder "GND_L01_P028" (solid): -18.45,114.02 ccw(c112.24,114.02) 112.24,-16.68 ccw(c112.24,114.02) 242.94,114.02 ccw(c112.24,114.02) 112.24,244.71 ccw(c112.24,114.02)
GND on Top Layer "TOP GND POUR" (solid, remove dead copper, pour order 50): 0,41.14 ccw(c41.14,41.14) 41.14,0 2604.45,-0.16 ccw(c2604.41,39.96) 2644.53,39.96 2644.65,1207.48 ccw(c2602.13,1207.44) 2602.13,1249.96 42.05,1249.88 ccw(c42.09,1207.72) -0.08,1207.72
5V on Top Layer "5V_L01_P046" (solid, pour order 46): 2408.46,880.9 2361.22,880.91 2361.22,843.5 2391.73,812.99 2391.73,781.5 ccw(c2393.7,781.5) 2393.7,779.53 2409.45,779.53 cw(c2409.45,771.65) 2417.32,771.65 2417.32,741.14 2479.33,741.14 2479.33,780.51 ccw(c2460.63,780.51) 2460.63,799.21 2440.94,799.21 cw(c2440.94,814.96) 2425.2,814.96 2425.2,865.13 ccw(c2409.39,865.13)
GND on Top Layer "GND_L01_P049" (solid, pour order 49): 2296.78,743.31 cw(c2296.78,719.85) 2313.37,736.44 2332.87,716.93 2362.8,716.93 2362.8,688.58 cw(c2351.38,688.58) 2351.38,677.17 2259.84,677.17 cw(c2259.84,688.98) 2248.03,688.98 2248.03,730.65 cw(c2270.98,730.65) 2254.75,746.88 2266.14,758.27 2290.75,758.27 2290.75,749.34 ccw(c2296.78,749.34)
3V3 on Top Layer "3V3_L01_P048" (solid, pour order 48): 2326.77,761.81 2326.77,814.96 ccw(c2314.96,814.96) 2314.96,826.77 2204.72,826.77 ccw(c2204.72,814.96) 2192.91,814.96 2192.91,779.53 ccw(c2204.72,779.53) 2204.72,767.72 2238.53,767.72 ccw(c2238.53,791.14) 2255.09,774.58 2257.39,776.88 cw(c2269.48,764.8) 2269.48,781.89 2285.64,781.89 cw(c2285.64,764.32) 2298.06,776.74 2312.99,761.81
5V on Top Layer "5V_L01_P047" (solid, pour order 47): 2444,751.57 2444,692.99 cw(c2437.15,692.99) 2437.11,686.14 2376.47,686.49 cw(c2376.51,693.64) 2369.68,691.51 2369.68,716.14 cw(c2381.5,716.14) 2381.5,727.95 2401.18,727.95 2424.8,751.57
GND on Top Layer "GND_L01_P038" (solid, pour order 38): 2488.19,842.52 2488.19,748.03 ccw(c2496.06,748.03) 2496.06,740.16 2507.87,740.16 ccw(c2507.87,748.03) 2515.75,748.03 2515.75,775.59 2570.87,775.59 ccw(c2570.87,778.54) 2573.82,778.54 2573.82,843.5 ccw(c2566.93,843.5) 2566.93,850.39 2496.06,850.39 ccw(c2496.06,842.52)
GNSS_USB_VBUS on Top Layer "GNSS_USB_VBUS_L01_P037" (solid, pour order 37): 2310.04,932.09 2310.04,992.13 ccw(c2295.23,992.13) 2295.23,1006.94 2180.5,1006.94 2180.5,918.31 2251.97,918.31 2262.8,929.13 2262.8,932.09
GND on Top Layer "GND_L01_P036" (solid, pour order 36): 2372.84,542.13 2372.84,640.94 ccw(c2351.38,640.94) 2351.38,662.4 2255.91,662.4 ccw(c2255.91,637.64) 2231.14,637.64 2231.14,564.13 ccw(c2253.15,564.13) 2253.15,542.13
RCB_5V on Top Layer "RCB_5V_L01_P034" (solid, pour order 34): 2522.64,762.8 2522.64,741.14 2529.53,734.25 2529.53,639.76 ccw(c2550.2,639.76) 2550.2,619.09 2579.72,619.09 ccw(c2579.72,636.81) 2597.44,636.81 2597.44,740.16 ccw(c2574.8,740.16) 2574.8,762.8
RCB_5V on Top Layer "RCB_5V_L01_P033" (solid, pour order 33): 2435.83,346.06 2604.72,346.06 cw(c2604.72,324.8) 2625.98,324.8 2625.98,287.4 cw(c2604.33,287.4) 2604.33,265.75 2525.72,265.75 2485.57,305.91 2436.08,305.91
GND on Top Layer "GND_L01_P030" (solid, pour order 30): 2036.06,1112.28 2036.06,1031.5 cw(c2024.25,1031.5) 2024.25,1019.69 1974.69,1019.69 cw(c1974.69,1031.14) 1963.23,1031.14 1963.23,1042.2 cw(c1974.25,1042.2) 1974.25,1053.22 2001.13,1053.22 2020.31,1072.41 2020.31,1112.28
GNSS_USB_VBUS on Top Layer "GNSS_USB_VBUS_L01_P029" (solid, pour order 29): 2122.68,1112.28 2122.68,943.02 ccw(c2147.39,943.02) 2147.39,918.31 2195.51,918.31 2195.51,1042.2 ccw(c2184.5,1042.2) 2184.49,1053.22 2157.61,1053.22 2138.43,1072.41 2138.43,1112.28
no net on Top Overlay "NONET_L01_P-001" (solid): 68.45,833.7 68.45,718.87 cw(c54.57,718.87) 54.57,704.98 38.82,704.98 cw(c38.82,718.66) 25.15,718.66 25.15,835.46 cw(c36.18,835.46) 36.18,846.49 55.66,846.49 cw(c55.66,833.7)
no net on Top Overlay "NONET_L01_P-001" (solid): 321.85,143.7 321.85,205.6 cw(c334.75,205.6) 334.75,218.5 354.33,218.5 cw(c354.33,207.68) 365.16,207.68 365.16,141.94 cw(c354.13,141.93) 354.13,130.91 334.65,130.91 cw(c334.64,143.7)
no net on Top Overlay "NONET_L01_P-001" (solid): 273.62,142.72 273.62,205.71 cw(c285.93,205.71) 285.93,218.01 305.61,218.01 cw(c305.61,206.69) 316.93,206.69 316.93,141.73 cw(c305.61,141.73) 305.61,130.41 285.93,130.41 cw(c285.92,142.72)
no net on Bottom Overlay "NONET_L01_P-001" (solid): 269.07,36.48 383.9,36.48 ccw(c383.9,50.37) 397.78,50.37 397.78,66.12 ccw(c384.11,66.12) 384.11,79.79 267.31,79.79 ccw(c267.3,68.76) 256.28,68.76 256.28,49.28 ccw(c269.07,49.28)
no net on Bottom Overlay "NONET_L01_P-001" (solid): 340.3,1106.63 456.11,1106.63 ccw(c456.11,1120.52) 470,1120.52 470,1136.27 ccw(c456.33,1136.27) 456.33,1149.94 338.54,1149.94 ccw(c338.54,1138.91) 327.51,1138.91 327.51,1119.43 ccw(c340.3,1119.43)
no net on Bottom Overlay "NONET_L01_P-001" (solid): 23.73,378.55 141.13,378.55 ccw(c141.13,392.43) 155.02,392.43 155.02,408.18 ccw(c141.34,408.18) 141.34,421.85 24.54,421.85 ccw(c24.54,410.82) 13.51,410.82 13.51,388.77 ccw(c23.73,388.77)
no net on Bottom Overlay "NONET_L01_P-001" (solid): 26.3,457.2 142.11,457.2 ccw(c142.11,471.08) 156,471.08 156,486.83 ccw(c142.33,486.83) 142.33,500.5 24.54,500.5 ccw(c24.54,489.47) 13.51,489.47 13.51,469.99 ccw(c26.3,469.99)
no net on Bottom Overlay "NONET_L01_P-001" (solid): 2495.3,953.63 2611.11,953.63 ccw(c2611.11,967.52) 2625,967.52 2625,983.27 ccw(c2611.33,983.27) 2611.33,996.94 2493.54,996.94 ccw(c2493.54,985.91) 2482.51,985.91 2482.51,966.43 ccw(c2495.3,966.43)
no net on Bottom Overlay "NONET_L01_P-001" (solid): 954.72,958.66 1139.76,958.66 ccw(c1139.76,979.33) 1160.43,979.33 1160.43,1009.84 ccw(c1141.73,1009.84) 1141.73,1028.54 952.76,1028.54 ccw(c952.76,1005.15) 929.36,1005.15 929.36,984.03 ccw(c954.72,984.03)
no net on Bottom Overlay "NONET_L01_P-001" (solid): 2250.11,22.86 2250.11,137.69 ccw(c2236.22,137.69) 2236.22,151.57 2220.47,151.57 ccw(c2220.47,137.9) 2206.8,137.9 2206.8,21.1 ccw(c2217.83,21.1) 2217.83,10.07 2237.31,10.07 ccw(c2237.31,22.86)
no net on Bottom Overlay "NONET_L01_P-001" (solid): 2065.07,22.86 2065.07,137.69 ccw(c2051.18,137.69) 2051.18,151.57 2035.43,151.57 ccw(c2035.43,137.9) 2021.76,137.9 2021.76,21.1 ccw(c2032.79,21.1) 2032.79,10.07 2052.27,10.07 ccw(c2052.27,22.86)
no net on Bottom Overlay "NONET_L01_P-001" (solid): 1899.71,22.86 1899.71,137.69 ccw(c1885.83,137.69) 1885.83,151.57 1870.08,151.57 ccw(c1870.08,137.9) 1856.41,137.9 1856.41,21.1 ccw(c1867.44,21.1) 1867.44,10.07 1886.92,10.07 ccw(c1886.92,22.86)
no net on Bottom Overlay "NONET_L01_P-001" (solid): 2495.3,896.55 2610.13,896.55 ccw(c2610.13,910.43) 2624.02,910.43 2624.02,926.18 ccw(c2610.34,926.18) 2610.34,939.85 2493.54,939.85 ccw(c2493.54,928.82) 2482.51,928.82 2482.51,909.34 ccw(c2495.3,909.34)
GND on Int1 (GND) "INT1 GND POUR" (solid, pour order 51): 0,41.14 ccw(c41.14,41.14) 41.14,0 2604.45,-0.16 ccw(c2604.41,39.96) 2644.53,39.96 2644.65,1207.48 ccw(c2602.13,1207.44) 2602.13,1249.96 42.05,1249.88 ccw(c42.09,1207.72) -0.08,1207.72
GND on Int2 (GND) "INT2 GND POUR" (solid, pour order 52): 0,41.14 ccw(c41.14,41.14) 41.14,0 2604.45,-0.16 ccw(c2604.41,39.96) 2644.53,39.96 2644.65,1207.48 ccw(c2602.13,1207.44) 2602.13,1249.96 42.05,1249.88 ccw(c42.09,1207.72) -0.08,1207.72
3V3 on Int2 (GND) "3V3_L03_P045" (solid, pour order 45): 2322.83,885.83 1692.91,885.83 ccw(c1692.91,807.09) 1614.17,807.09 1614.17,151.89 ccw(c1656.82,151.89) 1656.82,109.25 2361.27,109.25 ccw(c2361.27,149.55) 2401.57,149.55 2401.57,807.09 ccw(c2322.84,807.09)
RCB_5V on Int2 (GND) "RCB_5V_L03_P041" (solid, pour order 41): 2618.11,275.59 2618.11,664.38 ccw(c2593.52,664.38) 2593.52,688.98 2539.37,688.98 ccw(c2539.37,668.9) 2519.29,668.9 2519.29,275.98 ccw(c2539.37,275.98) 2539.37,255.91 2598.43,255.91 ccw(c2598.43,275.59)
GND on Bottom Layer "BOT GND POUR" (solid, pour order 40): 5.83,34.17 ccw(c46.98,34.17) 46.98,-6.98 2610.28,-7.13 ccw(c2610.24,32.98) 2650.36,32.98 2650.48,1200.5 ccw(c2607.96,1200.46) 2607.96,1242.98 47.88,1242.91 ccw(c47.92,1200.74) 5.76,1200.74

## Keep-outs
Keep-Out Layer:
  circle w0.5: c2494.13,114.02 r61.02
  circle w0.5: c112.24,114.02 r61.02
  circle w0.5: c2494.13,1137.64 r61.02
  circle w0.5: c112.24,1137.64 r61.02
  lines w0.5: 41.14,0 cw(c41.14,41.14) 0,41.14 -0.08,1207.72 cw(c42.09,1207.72) 42.05,1249.88 2602.13,1249.96 cw(c2602.13,1207.44) 2644.65,1207.48 2644.53,39.96 cw(c2604.41,39.96) 2604.45,-0.16

## Other copper
Top Layer:
  rectangle net GND: 182.27,839.06 258.08,930.53
  rectangle net GND: 163.39,624.43 280.15,725
  pour cut-out: 1912.54,1249.94 1912.54,1092.03 ccw(c1945.44,1092.03) 1945.44,1059.13 2210.77,1059.13 ccw(c2210.77,1089.14) 2240.79,1089.14 2240.79,1249.95

## Silkscreen, mask and mechanical layers (free items; w line width, h text height)
Top Overlay:
  circle w10: c2159.45,624.02 r3
  pour cut-out: 61.46,719.75 29.96,719.75 29.96,830.97 61.46,830.97
  pour cut-out: 328.74,200.79 361.22,200.79 361.22,149.61 328.74,149.61
  pour cut-out: 312.01,211.61 279.53,211.61 279.53,136.81 312.01,136.81
  region: 1681.79,1236.22 1771.65,1154.6 1771.65,1236.22
  lines w5: 1681.79,1236.22 1771.65,1236.22 1771.65,1154.6 1681.79,1236.22
  lines w8: 9.62,456.31 9.62,481.9 ; 9.91,402.56 9.91,428.15
  text "ANT" at 28.98,831.95 h60 r270
  text "5V" at 362.2,148.62 h60 r90
  text "3V3" at 312.99,135.83 h60 r90
Bottom Overlay:
  drawing of 20 lines, arcs and shapes, not listed
  text "RST" at 350.91,1145.13 h60 r180
  text "Mosaic-T-RCB-V1" at 1182.61,1019.19 h70 r180
  text "MODEL" at 943.9,1018.7 h70 r180
  text "PWR" at 2505.91,992.13 h60 r180
  text "DATA" at 2497.05,936.02 h60 r180
  text "RDY" at 36.91,495.69 h60 r180
  text "GP" at 28.05,418.02 h60 r180
  text "VANT" at 270.81,75.96 h60 r180
  text "EXT A" at 1860.24,24.61 h60 r270
  text "EXT B" at 2025.59,24.61 h60 r270
  text "PPS" at 2210.63,24.61 h60 r270
Mechanical 1:
  circle w0.5: c112.24,1137.64 r61.02
  circle w0.5: c2494.13,114.02 r61.02
  circle w0.5: c112.24,114.02 r61.02
  circle w0.5: c2494.13,1137.64 r61.02
  lines w0.5: -0.08,1207.72 cw(c42.09,1207.72) 42.05,1249.88 ; 0,41.14 ccw(c41.14,41.14) 41.14,0 ; 2602.13,1249.96 cw(c2602.13,1207.44) 2644.65,1207.48

## Text inside footprints (layer, text, board x,y; h text height)
J4: Mechanical 1 "PCB EDGE" at 2362.83,1253.02 h11.81 r180